# Altium PCB 400484.PcbDoc (part 3 of 5)
Units mil, origin at the board's own origin, x right, y up, seen from the top; angles counter-clockwise.
Board outline 5375.1 x 2500 mil, 4 copper layers (Top Layer, Mid-Layer 1, Mid-Layer 2, Bottom Layer), stack 61.731 mil thick; 327 components, 226 nets, 1370 pads, 1365 vias.
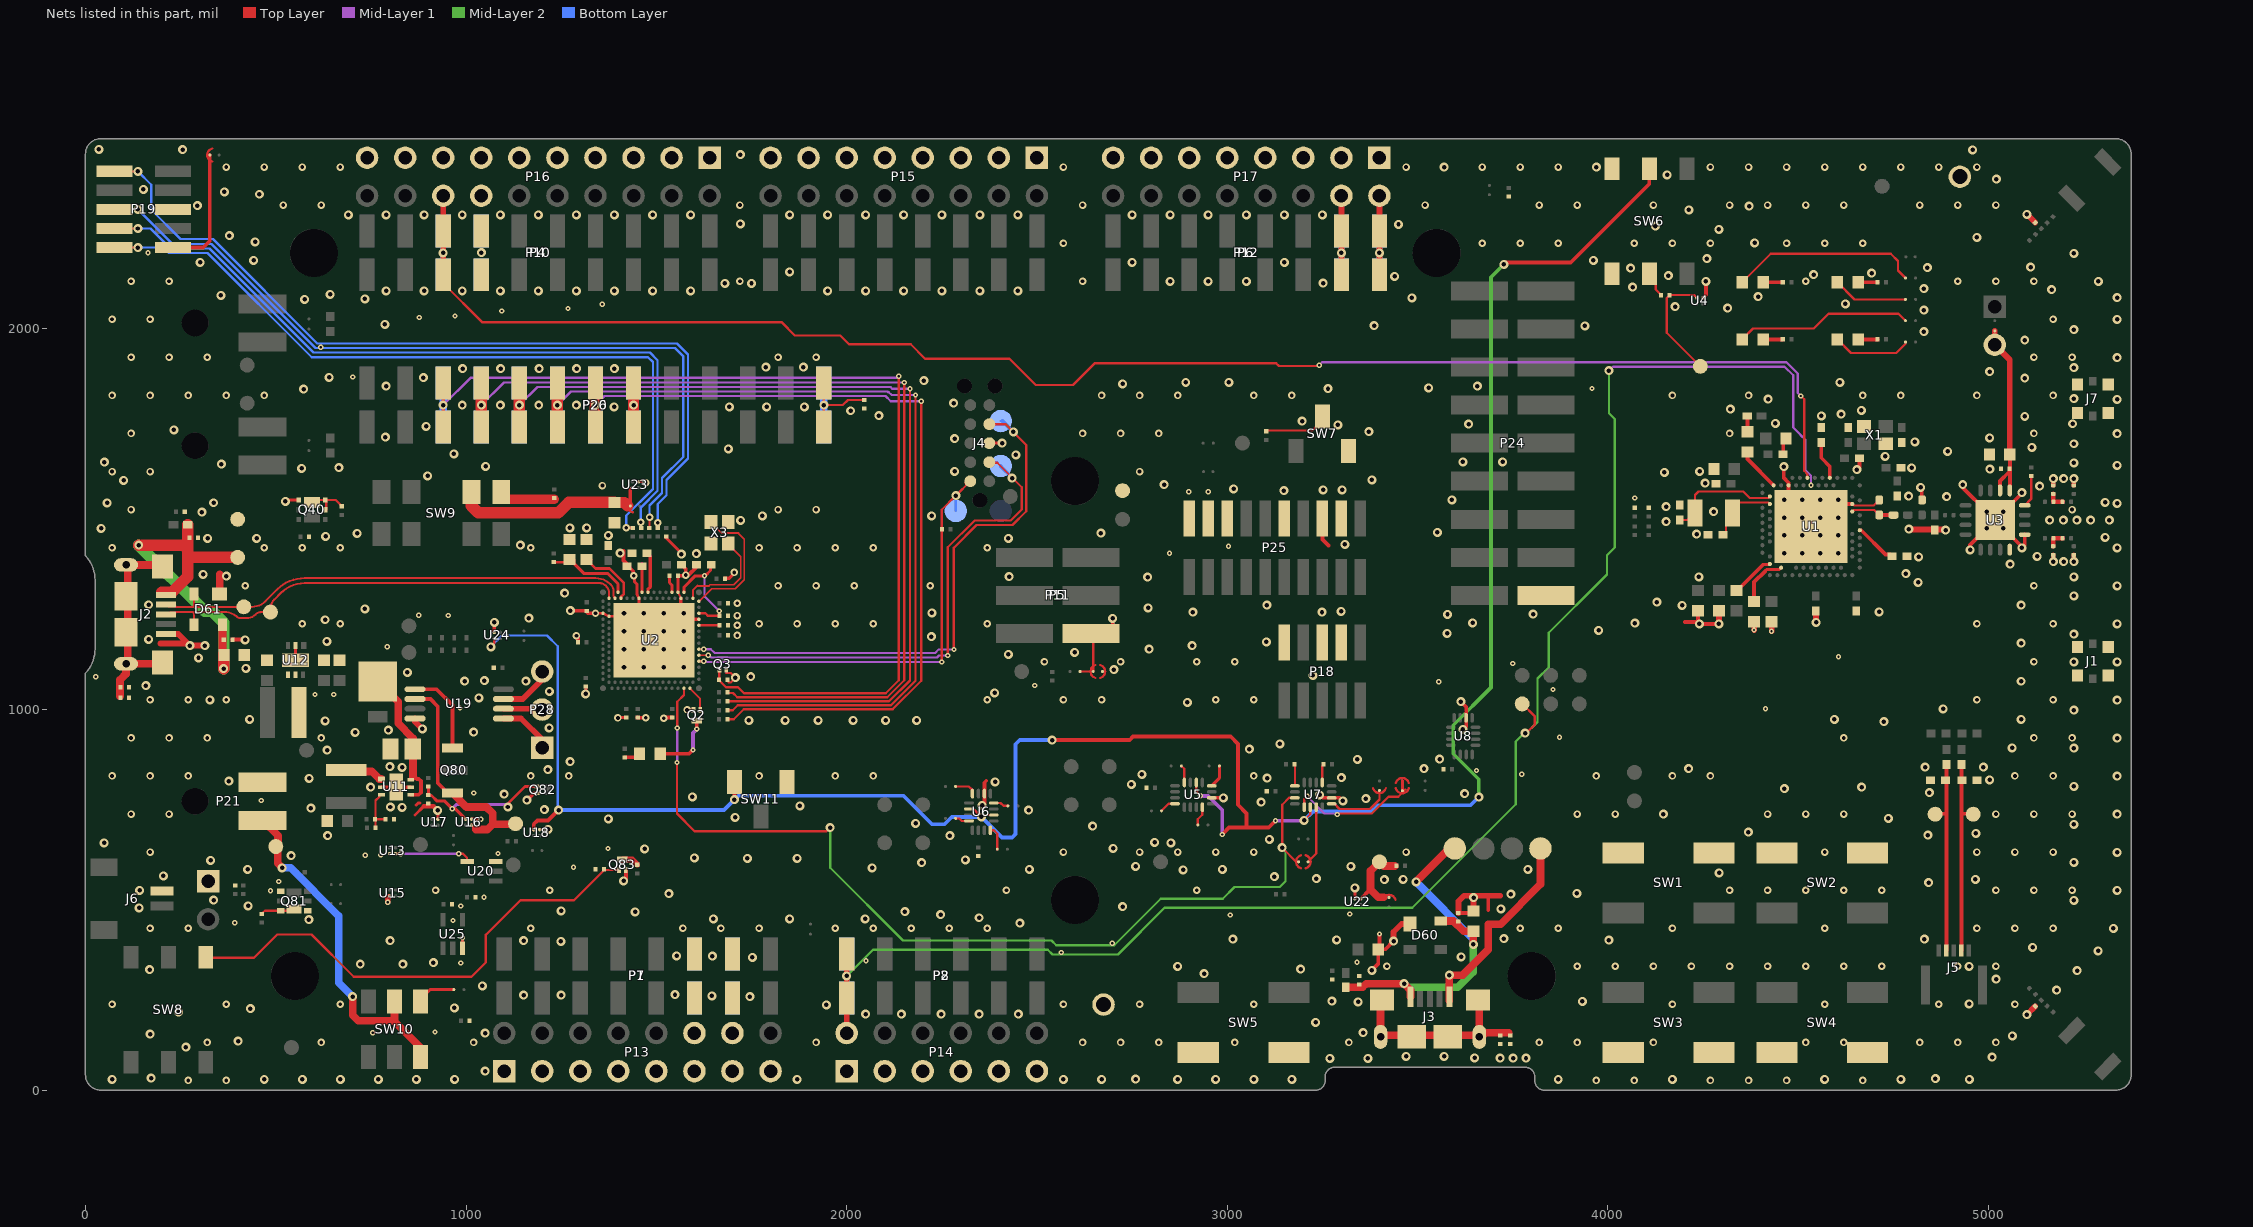
[diagram p5: the nets of this part, all layers, seen from the top]

## Via types
v1: diameter 23.62, hole 11.81, Top Layer to Bottom Layer, tented both sides, 881 vias
v2: diameter 19.68, hole 9.84, Top Layer to Bottom Layer, tented both sides, 281 vias
v3: diameter 13.78, hole 5.91, Top Layer to Mid-Layer 1, tented both sides, 129 vias
v4: diameter 13.78, hole 5.91, Top Layer to Mid-Layer 1, tented top, 40 vias
v5: diameter 24, hole 12, Top Layer to Bottom Layer, tented both sides, 24 vias
v6: diameter 11.81, hole 3.94, Top Layer to Mid-Layer 1, tented top, 10 vias

## Nets (pads, with @x,y where several pads share a name; then routed paths per layer and width w, separated by ;. In a path a pad name is that pad's centre, name@x,y a point inside that pad or via, vN(x,y) a via of type N, cw(c..) or ccw(c..) an arc to the next point about the centre after c; other vN are vias at no path point) (continued)
GND: C1.2 C2.2 C3.1 C4.1 C5.2 C6.2 C7.2 C8.2 C9.2 C10.1 C11.2 C12.2 C13.2 C14.2 C15.1 C16.2 C17.1 C18.1 C19.2 C20.2 C21.2 C22.1 C24.2 C25.2 C26.2 C27.2 C28.2 C29.1 C30.2 C31.2 C32.2 C33.2 C34.2 C35.1 C36.1 C37.2 C38.2 C39.2 C40.1 C42.1 C45.1 C46.2 C47.1 C48.1 C49.1 C50.1 C51.1 C52.2 C53.1 C55.1 C56.2 C58.1 C59.1 C60.1 C61.1 C62.1 C63.2 C64.1 C65.1 C66.1 C67.1 C68.1 C69.1 C70.2 C80.1 C82.1 C83.1 C85.1 C86.1 C88.1 C90.1 C91.1 C92.1 C93.1 D60.1 D61.1 J1.2 J2.5 J3.5 J4.3 J6.1 J7.2 L7.2 L10.2 P1.6 P1.7 P4.7 P7.6 P7.7 P10.7 P13.1 P13.3 P13.5 P13.7 P13.9 P13.11 P13.12 P13.13 P13.14 P13.15 P14.1 P14.3 P14.5 P14.7 P14.9 P14.11 P15.1 P15.3 P15.5 P15.7 P15.9 P15.11 P15.13 P15.15 P16.1 P16.3 P16.5 P16.7 P16.9 P16.11 P16.13 P16.14 P16.15 P16.17 P16.19 P17.1 P17.3 P17.5 P17.7 P17.9 P17.11 P17.13 P17.15 P18.3 P18.5 P18.9 P19.5 P21.1 P24.18 P25.3 P25.5 P25.9 P25.15 P25.17 P25.19 P27.1 Q2.2 Q3.2 Q40.1 Q81.1 Q81.4 Q82.2 Q83.2 R9.2 R10.2 R20.2 R26.2 R40.2 R62.1 R63.1 R69.1 R84.1 R85.2 R88.2 R92.2 R94.2 SB32.1 SW1.1 SW2.1 SW3.1 SW4.1 SW5.1 SW6.1 SW6.4 SW7.1 SW11.3 TP12.1 TP16.1 TP39.1 TP40.1 TP41.1 U1.74 U1.B7 U1.F23 U2.104 U2.A25 U2.B12 U2.B26 U2.G1 U2.H2 U2.J31 U3.1 U3.16 U3.17 U4.B1 U5.6 U6.6 U7.6 U8.6 U11.2 U11.5 U11.7 U12.2 U12.4 U12.7 U13.B1 U15.B1 U16.B1 U17.B1 U18.B1 U19.4 U20.3 U22.B1 U23.B1 U24.B1 U25.3 X1.2 X1.4 X3.2 X3.4 | length 4421.9
  Top Layer w5.71: U1.F23@4642.27,1540.05 4643.65,1540.05 4647.79,1535.92 4648.17,1535.92 4698.22,1535.92 4704.24,1541.94 4706.21,1541.94 4713.2,1548.93 C3.1@4713.2,1550.9
  Top Layer w6: v2@1519.68,979.33 v2@1519.85,979.17 ; C31.2@1541.18,979.17 C31.2@1541.34,979.01 ; 1683.44,1095.88 1695.69,1095.88 v1(1707.86,1083.72) 1695.26,1071.12 1689.48,1071.12
  Top Layer w6.5: U2.A25@1556.65,1308.14 U2.B26@1564.52,1292.39
  Top Layer w7.36: v2(1340.11,1253.02) U2.G1@1359.79,1253.02 U2.H2@1375.54,1245.15 U2.104@1403.1,1245.15 ; 1449.13,1303.02 U2.B12@1454.28,1292.39 ; 1449.13,1303.18 1449.13,1329.28
  Top Layer w7.87: U2.A25@1556.65,1308.14 C39.2@1556.65,1351.29
  Top Layer w8: v1@522.98,1550.59 Q40.1@557.8,1550.59 ; U12.7@552.13,1129.77 U12.2@552.13,1168.16 ; 865.94,723.23 888.47,745.75 ; 869.09,749.02 875,754.92 879.3,754.92 ; v1@918.12,742.21 v1(925.17,735.17) ; U17.B1@925.87,711.87 v1@925.87,735.87 ; U25.3@990.59,372.6 v4(990.59,400.41) ; U16.B1@1014.87,711.87 v3(1038.87,711.87) ; U18.B1@1193.65,684.5 1214.9,684.5 v1(1215.9,685.5) ; v1(1314.47,1040.98) 1314.71,1041.23 1314.71,1060.38 C26.2@1314.96,1060.63 ; v2(1398.96,978.16) 1399.38,978.59 1419.85,978.59 R10.2@1420.28,979.01 ; v2(1440.5,1351.45) 1442.74,1349.21 1442.74,1335.67 1449.13,1329.28 ; U23.B1@1452.95,1598.69 1470.11,1598.69 v2(1472.35,1596.46) ; R88.2@1527.5,1453.78 1526.18,1455.09 R88.2@1525.59,1455.09 1525.59,1451.18 1565.94,1410.82 v1(1565.94,1408.46) ; v2(1580.71,999.02) Q2.2@1597.44,999.02 ; J4.3@2375,1700 2408.27,1700 v1(2408.46,1699.8) ; v1@3334.88,529.32 3335.13,529.06 U22.B1@3335.13,503.1 ; v1@4824.05,1583.74 4824.83,1582.97 4824.83,1553.46 C4.1@4825.6,1552.68
  Top Layer w8.86: U2.104@1438.53,1237.28 U2.104@1493.65,1182.16 U2.104@1505.27,1182.16 ; U2.104@1454.28,1237.28 U2.B12@1454.28,1292.39 ; U2.104@1548.77,1237.28 U2.104@1564.52,1237.28 ; U2.B26@1564.52,1292.39 U2.104@1564.52,1237.28 ; U2.J31@1611.76,1237.28 U2.104@1564.52,1237.28
  Top Layer w9: U5.6@2958.95,768 v1(2990,768)
  Top Layer w9.84: U11.2@777.61,796 U11.7@816,796 U11.5@854.39,796 ; U24.B1@1074.13,1202.87 v1(1074.13,1229.13) ; v1(1274.16,1259.91) 1313.82,1259.91 C24.2@1314.21,1259.52 ; v2(1290.06,1194.11) 1290.06,1191.45 1294.05,1187.46 1294.05,1177.63 C25.2@1294.44,1177.24 ; C24.2@1316.49,1259.52 C24.2@1314.21,1259.52 ; v2(1340.11,1253.02) 1320.71,1253.02 C24.2@1314.21,1259.52 ; C40.1@1422.79,1379.99 1439.52,1363.26 v2@1439.52,1357.35 ; C27.2@1450.43,979.17 1450.92,978.68 1472.11,978.68 v2(1472.44,978.35) ; C39.2@1556.65,1351.29 1575.19,1351.29 v2(1577.31,1353.42) ; C28.2@1566.49,1379.99 1577.31,1369.17 v2(1577.31,1353.42) ; C29.1@1604.87,1379.99 1604.87,1373.63 1584.66,1353.42 v2(1577.31,1353.42) ; C34.2@1680.07,1344.22 1680.07,1344.65 1680.46,1345.05 1691.65,1345.05 1704.77,1358.16 v2(1704.77,1360.44) ; v1(3243,776) 3250.87,768.13 U7.6@3274.23,768.13 3295.87,768.13 v1(3304,760) ; P25.5@3250,1501.77 3250,1447 3266,1431 ; U4.B1@4249.75,2081.92 4249.92,2081.92 4257.87,2089.87 v1@4257.87,2125.87 ; v1(4462.52,1638.33) 4462.52,1608.25 4474.76,1596.02 4474.76,1589.46 U1.B7@4474.94,1589.27 U1.74@4474.94,1540.05 ; U1.74@4534,1481 4593.05,1540.05 U1.F23@4642.27,1540.05
  Top Layer w10: D61.1@352.13,1303.35 D61.1@352.36,1303.58 ; C65.1@385.83,1184 418.36,1184 v1(419.29,1183.07) v1@419.51,1183.29 ; v1(1160,762) 1178.14,780.14 Q82.2@1187.22,780.14 ; v1@1413.93,1416.41 1413.93,1392 C40.1@1422.79,1383.14 ; v1(1414,550) 1419.86,555.86 Q83.2@1419.86,578.22 ; v2@1519.85,979.17 C31.2@1541.18,979.17 ; v1(2356,748) 2361.87,753.87 U6.6@2361.87,779.23 2361.87,807.87 2367,813 ; v1(3380,315) 3396.57,331.57 C91.1@3396.57,370 ; v3(3400,410) 3400,373.43 C91.1@3396.57,370 ; v1(3437.12,391.86) 3415.26,370 C91.1@3396.57,370 ; C62.1@3607.57,465.25 3635.83,465.25 C61.1@3643.46,472.89 ; v1(3614,1021) 3627.87,1007.13 U8.6@3627.87,978.23 3627.87,954.87 v1@3621,948 ; 3685.57,473.73 3685.57,511 ; 4203,1230 v1@4238.72,1230 ; v1@4236.72,1227.09 C6.2@4236.72,1259.54 ; v1(4240.72,1225.09) v1(4291.87,1225.09) ; C16.2@4460.68,1671 4460.68,1704.5 C15.1@4468.05,1711.87 ; v1(4654.08,1630.61) 4660.97,1637.5 C12.2@4660.97,1660.13 ; v1@4934.55,1581.2 v1(4996.06,1519.69) U3.17@5017.72,1498.03 ; v1(4951.77,1419.29) 4951.77,1432.09 v1(4996.06,1476.38) ; v1(5039.37,1476.38) 5080.16,1435.59 ; v1(5039.37,1519.69) 5080.16,1560.47 ; v1@5095.47,1432.79 U3.1@5095.47,1459.65
  Top Layer w10.98: v1(4822.09,1583.74) 4822.09,1580.22 v1@4824.83,1577.48 ; v1@5170.28,1388.85 C53.1@5170.28,1406.69 ; C55.1@5170.28,1589.11 v1@5170.28,1606.96 ; v1@5224.41,1388.85 C58.1@5224.41,1406.69 ; C59.1@5224.41,1589.11 v1@5224.41,1606.96
  Top Layer w11.81: 888.47,745.75 914.58,745.75 v1@918.12,742.21
  Top Layer w15: J2.5@211.84,1198.82 243.91,1198.82 v1(274.57,1168.16) ; v1@269.5,1173.23 v1(274.57,1168.16) ; v1(314,1168.16) v1(274.57,1168.16) ; v4(794,494) 794,505 U15.B1@796.5,507.5 ; U19.4@865.86,976.61 865.86,968.14 v1(885,949) ; v1(3437.12,391.86) 3437.12,415.47 3458.26,436.61 D60.1@3480.41,436.61 ; C62.1@3607.57,465.25 3607.57,496.57 3622,511 3685.57,511 3717,511 ; C61.1@3643.46,472.89 3647.11,476.53 3647.11,505.37 v1(3647.64,505.91) ; v1(4291.87,1225.09) C19.2@4291.87,1259.54 ; v3@4384.39,1209 C20.2@4384.39,1231 ; v3@4430.65,1206 C21.2@4430.65,1231 ; C7.2@4546.84,1259.54 4546.84,1229.16 v1(4547,1229) ; v1(5101.31,198.76) L7.2@5122.97,220.41 ; v1(5101.31,2301.24) L10.2@5122.97,2279.59
  Top Layer w15.75: 196.85,1173.23 v1@269.5,1173.23 ; v1(4790.89,1474.11) 4792.22,1472.78 4886.02,1472.78 v1(4887.35,1471.46)
  Top Layer w19.68: D61.1@352.36,1303.58 352.36,1355.32
  Top Layer w20: J3.5@3583.83,235.35 J3.5@3583.83,245.35 v1(3583.83,302.17) 3618.17,302.17 3685.57,369.57 3685.57,436.33 3718.79,436.33 3823,540.54 TP16.1@3823,635
  other v1: 69.75,28.47 469.75,28.47 569.75,28.47 669.75,28.47 769.75,28.47 869.75,28.47 969.75,28.47 1869.75,28.47 2569.75,28.47 2669.75,28.47 2869.75,28.47 2969.75,28.47 3069.75,28.47 3169.75,28.47 3869.75,28.47 4169.75,28.47 4569.75,28.47 4769.75,28.47 4950.07,28.47 2759,29 4860.75,30.47 172.24,31.5 1050,50 3269.75,83.47 3369.75,83.47 3717,84 3751,84 3785,84 3650,85 5009.84,86.61 3470,89 3570,89 263.63,113 401,129 5062.99,142.72 169.63,147 1050,150 3356.75,151.47 3232,178 2050,200 2144,200 2248,200 2348,200 2451,200 244.63,205 433,214 969,216 1947,224 4949,227 3344,232 3933,233 3275,234 1746,246 1646,248 1151,250 1250,250 1549,251 5179.13,262.8 1043,274 5020,292 2939,306 5233.27,313.98 168.63,317 3193,318 2869.75,325.47 4949,325 722,331 834,331 914,335 1752,349 3614.84,350.31 1647,352 1553,353 5288.39,366.14 5116.14,375 1249,391 800.2,392.72 1151,393 3287.4,394.68 4003,394 3015,397 4832,397 3727,398 5328.19,425 2455,439 587,448 1650,450 1850,450 2048.5,450 2348,453 2247,461 1444,468.4 2153,469 1250,471 3719,476 141,479 2725,482 427.17,484.25 5224.41,498.43 337,499 3745,515 1533,516.4 3919,517 142,525 5338.03,525 3335.51,531.74 4843,545 3412.78,552.87 3461.99,553.86 4966,554 3234.22,555.72 3124,561 205,563 4292.32,570.87 2884,579 426,580 2480,580 2987,580 3790,580 2067,584 2759,588 3325,588 2197,598 5224.41,598.43 329,604 2312,605 1739.17,609.25 1870.08,609.25 1600,610 540.35,616.14 5338.03,625 1469.49,633.86 2700,635 49,650 2852,650 2809,651 3111,659 636,669 2271,669 4841,670 4967,675 4369,678 2646,694 5224.41,698.43 2181.1,700.79 1374,713 4737,714 1706.69,716.54 4146,725 5338.03,725 2478,736 1206,737 592,741 832,743 801,744 1876.97,747.05 3089,757 3364,766 1594.49,770.67 1100,778 3624,779 4845,782 4464,792 749,796 4667,796 5224.41,798.43 2748.03,803.15 2390,810 376.7,812.16 5003,815 587.6,818.9 3105,820 3300,821 5338.03,825 2775.59,829.72 1215,842 3517,845 4212,845 832,848 4834,849.03 4987,849.03 800,850 1273.62,863.19 3342,869 3558,870 634.84,893.7 3058,896 5224.41,898.43 5062.01,899.61 3138,910 5338.03,925 708.66,939.96 1020,941 796,946 3619,948 1218,952 4725.39,968.5 629.92,970.47 1743.11,971.74 1838.58,971.74 1925.2,971.74 2016.73,971.74 2102.36,971.74 2184.06,971.74 431.1,974.41 4595,974.16 5085.63,974.41 5224.41,998.43 4880.84,1002 2895,1019 326.97,1025.5 5338.03,1025 1034,1031 2389,1044 1219,1048 159,1063 5085.63,1074.41 996,1075 1157,1075 1048,1076.02 1748.03,1086.61 3225,1090 846,1098 2702,1105 421.57,1108.03 5224.41,1125 5338.03,1125 297,1136 2425,1145 2599,1150 2795,1159 2908,1168 5085.63,1174.41 3103,1178 634,1179 166,1184.4 2222.44,1191.93 5224.41,1198.43 3578,1200 3976,1208 5338.03,1225 4070.87,1227.36 3645,1228 630,1236 1165,1240 3578.74,1250 3804,1251 2224,1254 2910,1256 3249,1256 4713,1257 3299,1258 734.25,1264.76 2792,1267 3104.33,1274.61 4195,1274 5085.63,1274.41 166,1275.4 4128.94,1282.48 5224.41,1298.43 1258.82,1306.16 5338.03,1325 4815,1334 2791,1348 4239.39,1348.73 5224.41,1348.43 2427,1349 370,1350.4 309,1355.4 4783,1357 5057.09,1381.89 5170.55,1388.58 5197.48,1388.44 5224.41,1388.58 4816.48,1401.28 5127.95,1402.36 1605.31,1409.45 1405.01,1410.82 4463.13,1410.13 4510.38,1410.13 4557.62,1410.13 4604.87,1410.13 5087.72,1425.03 5338.03,1425 1142.72,1432.09 3309,1434 321,1450 450,1450 2425,1450 5306.54,1452.56 631,1455 1374.02,1457.68 4463.13,1457.38 4510.38,1457.38 4557.62,1457.38 4604.87,1457.38 4233.39,1460.73 714,1463 2667.68,1463.4 3552.17,1465.55 41,1476 1272.82,1477.16 1316.82,1477.16 4153,1494 1721.46,1497.05 5160.62,1498.03 5196.86,1498.03 5232.72,1498.03 5268.57,1498.03 5317.72,1498.03 4463.13,1504.62 4510.38,1504.62 4557.62,1504.62 4604.87,1504.62 1778.54,1508.86 2223.43,1508.86 306,1519 4278.09,1520.37 4153,1533 5338.03,1541.73 57,1543 337,1543.4 5306.54,1544.68 525,1547 3590,1551 4463.13,1551.87 4510.38,1551.87 4557.62,1551.87 4604.87,1551.87 4890.3,1559.74 4790.6,1560.84 5087.72,1570.03 3149,1575 3252,1577 3302,1577 3017,1580 5134.84,1587.15 2834,1591 4932.58,1591.04 4255.39,1594.73 100,1602 3379.92,1603.35 5170.55,1606.82 5197.48,1606.82 5224.41,1606.82 899,1614 4148.62,1623.03 2283.46,1625.98 4241.35,1626.06 5003.94,1631.89 568,1634 4798.46,1634.92 666,1636 1051.18,1638.78 5338.03,1641.73 357,1645 5224.41,1648.43 50,1650 3723.43,1650.59 3619,1651 4728.88,1665.05 2444.88,1669.29 968,1672 4892.72,1678.15 1689,1684.69 5114.17,1688.98 5224.41,1698.43 4806.64,1703.44 2283.46,1711.61 5002.95,1713.58 788,1716 5338.03,1725 3372.05,1730.32 232,1735 895,1744 3291,1748 3634,1750 4439.96,1751.97 5221.46,1750.98 3197,1758 5095.47,1770.67 4560.82,1771.35 2084.65,1772.64 4612.74,1776.28 2010.6,1785.15 4666,1786 4321.85,1789.37 1389,1795.08 1692,1795.08 1790,1795.08 1888.78,1795.08 990,1800 1090,1800 1191,1800 1290,1800 2281,1805 5338.03,1815.16 4421,1816 5224.41,1817.13 573,1842 3264.76,1843.5 3529,1845 790,1850 3657,1850 2725,1856 2891,1860 3004,1860 4610,1860 2203,1864.4 5095.47,1870.67 888,1872 640,1873 5002.95,1887.8 990.76,1895.67 1090.76,1895.67 1191.76,1895.67 1290.76,1895.67 1389.76,1895.67 5224.41,1898.43 1788,1899.61 1886,1899.61 5338.03,1925 5095.47,1970.67 4830.71,1993.11 5224.41,1998.43 3939.96,2007.87 3386,2009 787,2012 5338.03,2025 4830.71,2049.7 4315,2055 4177,2059 4624.02,2065.94 576,2078 734,2079 3485,2082 5338.03,2082.68 4395,2085 356,2088 643,2091 790,2100 890,2100 990,2100 1090,2100 1190,2100 1290,2100 1390,2100 1490,2100 1590,2100 1950,2100 2050,2100 2150,2100 2250,2100 2350,2100 2450,2100 5165.94,2103.35 4830.71,2106.3 4064.96,2110.24 1680,2120 1750,2120 3252,2120.4 2850,2125 2950,2125 3050,2125 4257.87,2125 5288.82,2125 3440,2138 4159,2140 4541,2143 4692.91,2146.65 1850,2150 4060,2160 4839.57,2161.42 5111.22,2162.4 301,2175 2750,2175 3150,2175 442,2180 3962,2180 4260,2185 5224.41,2198.43 1040,2200.4 4386,2226 446,2229 4969.75,2240.47 378,2245 4292,2262 4125,2270 3450,2275 1721,2276 691,2300 790,2300 890,2300 990,2300 1090,2300 1190,2300 1290,2300 1390,2300 1490,2300 1590,2300 1850,2300 1950,2300 2050,2300 2150,2300 2250,2300 2350,2300 2450,2300 2750,2300 2850,2300 2950,2300 3050,2300 3150,2300 3250,2300 4213,2313 4371,2323 293.99,2324 457,2354 365,2360 152,2367 5020.67,2393.7 4156,2405 3569.75,2425.47 3969.75,2425.47 1721,2458 4958.66,2470.47 254.99,2471 34.99,2472
  other v2: 269.75,25.47 369.75,25.47 3969.75,25.47 4069.75,25.47 4269.75,25.47 4369.75,25.47 4469.75,25.47 4669.75,25.47 319.75,125.47 619.75,125.47 1019.75,125.47 1919.75,125.47 2619.75,125.47 2719.75,125.47 2819.75,125.47 3019.75,125.47 3319.75,125.47 3819.75,125.47 3919.75,125.47 4119.75,125.47 4519.75,125.47 4619.75,125.47 4819.75,125.47 4919.75,125.47 5019.75,125.47 69.75,225.47 369.75,225.47 669.75,225.47 2569.75,225.47 2769.75,225.47 3069.75,225.47 4169.75,225.47 4569.75,225.47 4869.75,225.47 5069.75,225.47 3419.75,325.47 3919.75,325.47 4019.75,325.47 4119.75,325.47 4219.75,325.47 4319.75,325.47 4419.75,325.47 4519.75,325.47 4619.75,325.47 4719.75,325.47 4919.75,325.47 5019.75,325.47 169.75,425.47 269.75,425.47 1169.75,425.47 1569.75,425.47 1669.75,425.47 1769.75,425.47 1969.75,425.47 2069.75,425.47 2169.75,425.47 2269.75,425.47 2369.75,425.47 3769.75,425.47 3869.75,425.47 4169.75,425.47 4569.75,425.47 4969.75,425.47 5069.75,425.47 5169.75,425.47 919.75,525.47 1219.75,525.47 2419.75,525.47 2919.75,525.47 4319.75,525.47 4419.75,525.47 4519.75,525.47 4619.75,525.47 4719.75,525.47 5019.75,525.47 5119.75,525.47 5219.75,525.47 169.75,625.47 2569.75,625.47 2769.75,625.47 2869.75,625.47 2969.75,625.47 3069.75,625.47 3469.75,625.47 4569.75,625.47 4969.75,625.47 5069.75,625.47 5169.75,625.47 119.75,725.47 219.75,725.47 3919.75,725.47 4019.75,725.47 4419.75,725.47 4519.75,725.47 4619.75,725.47 5019.75,725.47 5119.75,725.47 5219.75,725.47 69.75,825.47 169.75,825.47 269.75,825.47 1169.75,825.47 1269.75,825.47 1769.75,825.47 1969.75,825.47 2069.75,825.47 3069.75,825.47 3969.75,825.47 4169.75,825.47 4269.75,825.47 5069.75,825.47 5169.75,825.47 119.75,925.47 219.75,925.47 319.75,925.47 619.75,925.47 4619.75,925.47 5119.75,925.47 5219.75,925.47 1519.68,977.36 169.75,1025.47 269.75,1025.47 369.75,1025.47 2369.75,1025.47 2569.75,1025.47 2669.75,1025.47 2969.75,1025.47 3069.75,1025.47 4969.75,1025.47 5169.75,1025.47 2519.75,1125.47 2719.75,1125.47 2919.75,1125.47 3019.75,1125.47 5119.75,1125.47 1712.6,1194.88 1712.6,1221.46 569.75,1225.47 669.75,1225.47 1769.75,1225.47 1869.75,1225.47 1969.75,1225.47 2069.75,1225.47 2369.75,1225.47 4969.75,1225.47 5169.75,1225.47 1712.6,1247.05 1712.6,1279.53 419.75,1325.47 1819.75,1325.47 1919.75,1325.47 2019.75,1325.47 2219.75,1325.47 5119.75,1325.47 69.75,1425.47 469.75,1425.47 569.75,1425.47 669.75,1425.47 1169.75,1425.47 1769.75,1425.47 1869.75,1425.47 1969.75,1425.47 2069.75,1425.47 2369.75,1425.47 119.75,1525.47 1819.75,1525.47 1919.75,1525.47 5219.75,1525.47 1358.27,1588.58 69.75,1625.47 169.75,1625.47 2769.75,1625.47 119.75,1725.47 2619.75,1725.47 2719.75,1725.47 2819.75,1725.47 4319.75,1725.47 5119.75,1725.47 69.75,1825.47 169.75,1825.47 269.75,1825.47 369.75,1825.47 469.75,1825.47 2669.75,1825.47 2769.75,1825.47 2869.75,1825.47 3069.75,1825.47 3169.75,1825.47 4169.75,1825.47 4369.75,1825.47 4669.75,1825.47 4769.75,1825.47 4969.75,1825.47 5169.75,1825.47 119.75,1925.47 219.75,1925.47 319.75,1925.47 1819.75,1925.47 1919.75,1925.47 5119.75,1925.47 5219.75,1925.47 69.75,2025.47 169.75,2025.47 5169.75,2025.47 119.75,2125.47 219.75,2125.47 1719.75,2125.47 2619.75,2125.47 4519.75,2125.47 4919.75,2125.47 5019.75,2125.47 5119.75,2125.47 2569.75,2225.47 3669.75,2225.47 3769.75,2225.47 3869.75,2225.47 4069.75,2225.47 4169.75,2225.47 4269.75,2225.47 4469.75,2225.47 4569.75,2225.47 4669.75,2225.47 519.75,2325.47 619.75,2325.47 1719.75,2325.47 2619.75,2325.47 3519.75,2325.47 3819.75,2325.47 3919.75,2325.47 4119.75,2325.47 4319.75,2325.47 4419.75,2325.47 4519.75,2325.47 4619.75,2325.47 4819.75,2325.47 4919.75,2325.47 5019.75,2325.47 369.75,2425.47 469.75,2425.47 569.75,2425.47 669.75,2425.47 2569.75,2425.47 3469.75,2425.47 3669.75,2425.47 3769.75,2425.47 3869.75,2425.47 4269.75,2425.47 4369.75,2425.47 4469.75,2425.47 4569.75,2425.47 4669.75,2425.47 4769.75,2425.47 4869.75,2425.47 4969.75,2425.47
  other v3: 755,151 918.3,153 3341,336 2051,340 2564,362 2698,386 392,440 3008,460 3322.02,462.73 486,524 508,548 1282,586 1373,635 462,761 1020,781 3774,830 3655,840 3873.03,927.17 4414.37,1001.97 984,1004 603.35,1039.37 652.56,1039.37 3856.16,1052.65 2494,1063 3556,1073 27,1086 3750,1121 4606.3,1138.78 793,1165 4430,1206 4384,1209 953,1247 876,1248 2848,1411 3003,1429 4070.87,1556.1 2899,1572 2950,1572 3958.66,1843.5 702,1874 618,1952 877,2030 971,2034 1094,2047 1268,2054 1358,2065 164,2200
  other v4: 986,334 966,446 986,484 1047,507 735,617 776,618 1084,622
  other v5: 1414.91,1111.29 1467.41,1111.29 1519.9,1111.29 1572.39,1111.29 1414.91,1158.54 1467.41,1158.54 1519.9,1158.54 1572.39,1158.54 1414.91,1205.78 1467.41,1205.78 1519.9,1205.78 1572.39,1205.78 1414.91,1253.02 1467.41,1253.02 1519.9,1253.02 1572.39,1253.02
I\F\_\O\F\F\: SW6.2 SW11.1 U5.10 U6.2 U6.10 U7.2 U18.B2 U24.B2 | length 6141.6
  Top Layer w6: v1(1065,1165) 1074.13,1174.13 U24.B2@1074.13,1187.13 ; U6.10@2321.52,738.87 2333.09,738.87 2348.84,723.13 U6.2@2386.48,723.13 ; U5.10@2918.6,808.35 2918.87,808.08 2918.87,785.98 2929.04,775.81 v3(2929.04,773.71) ; v1(3202,709) 3218.13,725.13 U7.2@3218.13,743.52
  Top Layer w10: U18.B2@1177.9,684.5 1177.9,698.9 1187.62,708.62 1215.62,708.62 v1(1243,736) ; v1(1705.22,763.29) 1705.22,809.55 SW11.1@1705.71,810.04 ; v1(2540,920) 2743.84,920 2752.7,928.87 3009.13,928.87 3028.08,909.92 3028.08,749.92 3051,727 3051,690.29 ; v3(2987,672) 3005,690 3036.53,690 3036.82,690.29 3051,690.29 ; v3(3127,708) 3109.29,690.29 3051,690.29 ; v1(3727,2170) 3732,2175 3902.73,2175 4109,2381.27 SW6.2@4109,2420.8